# KiCad board REVIUNG34SPLIT-LEFT.kicad_pcb
title: REVIUNG34-SPLIT-LEFT; date: 2019-09-11; rev: 1.0
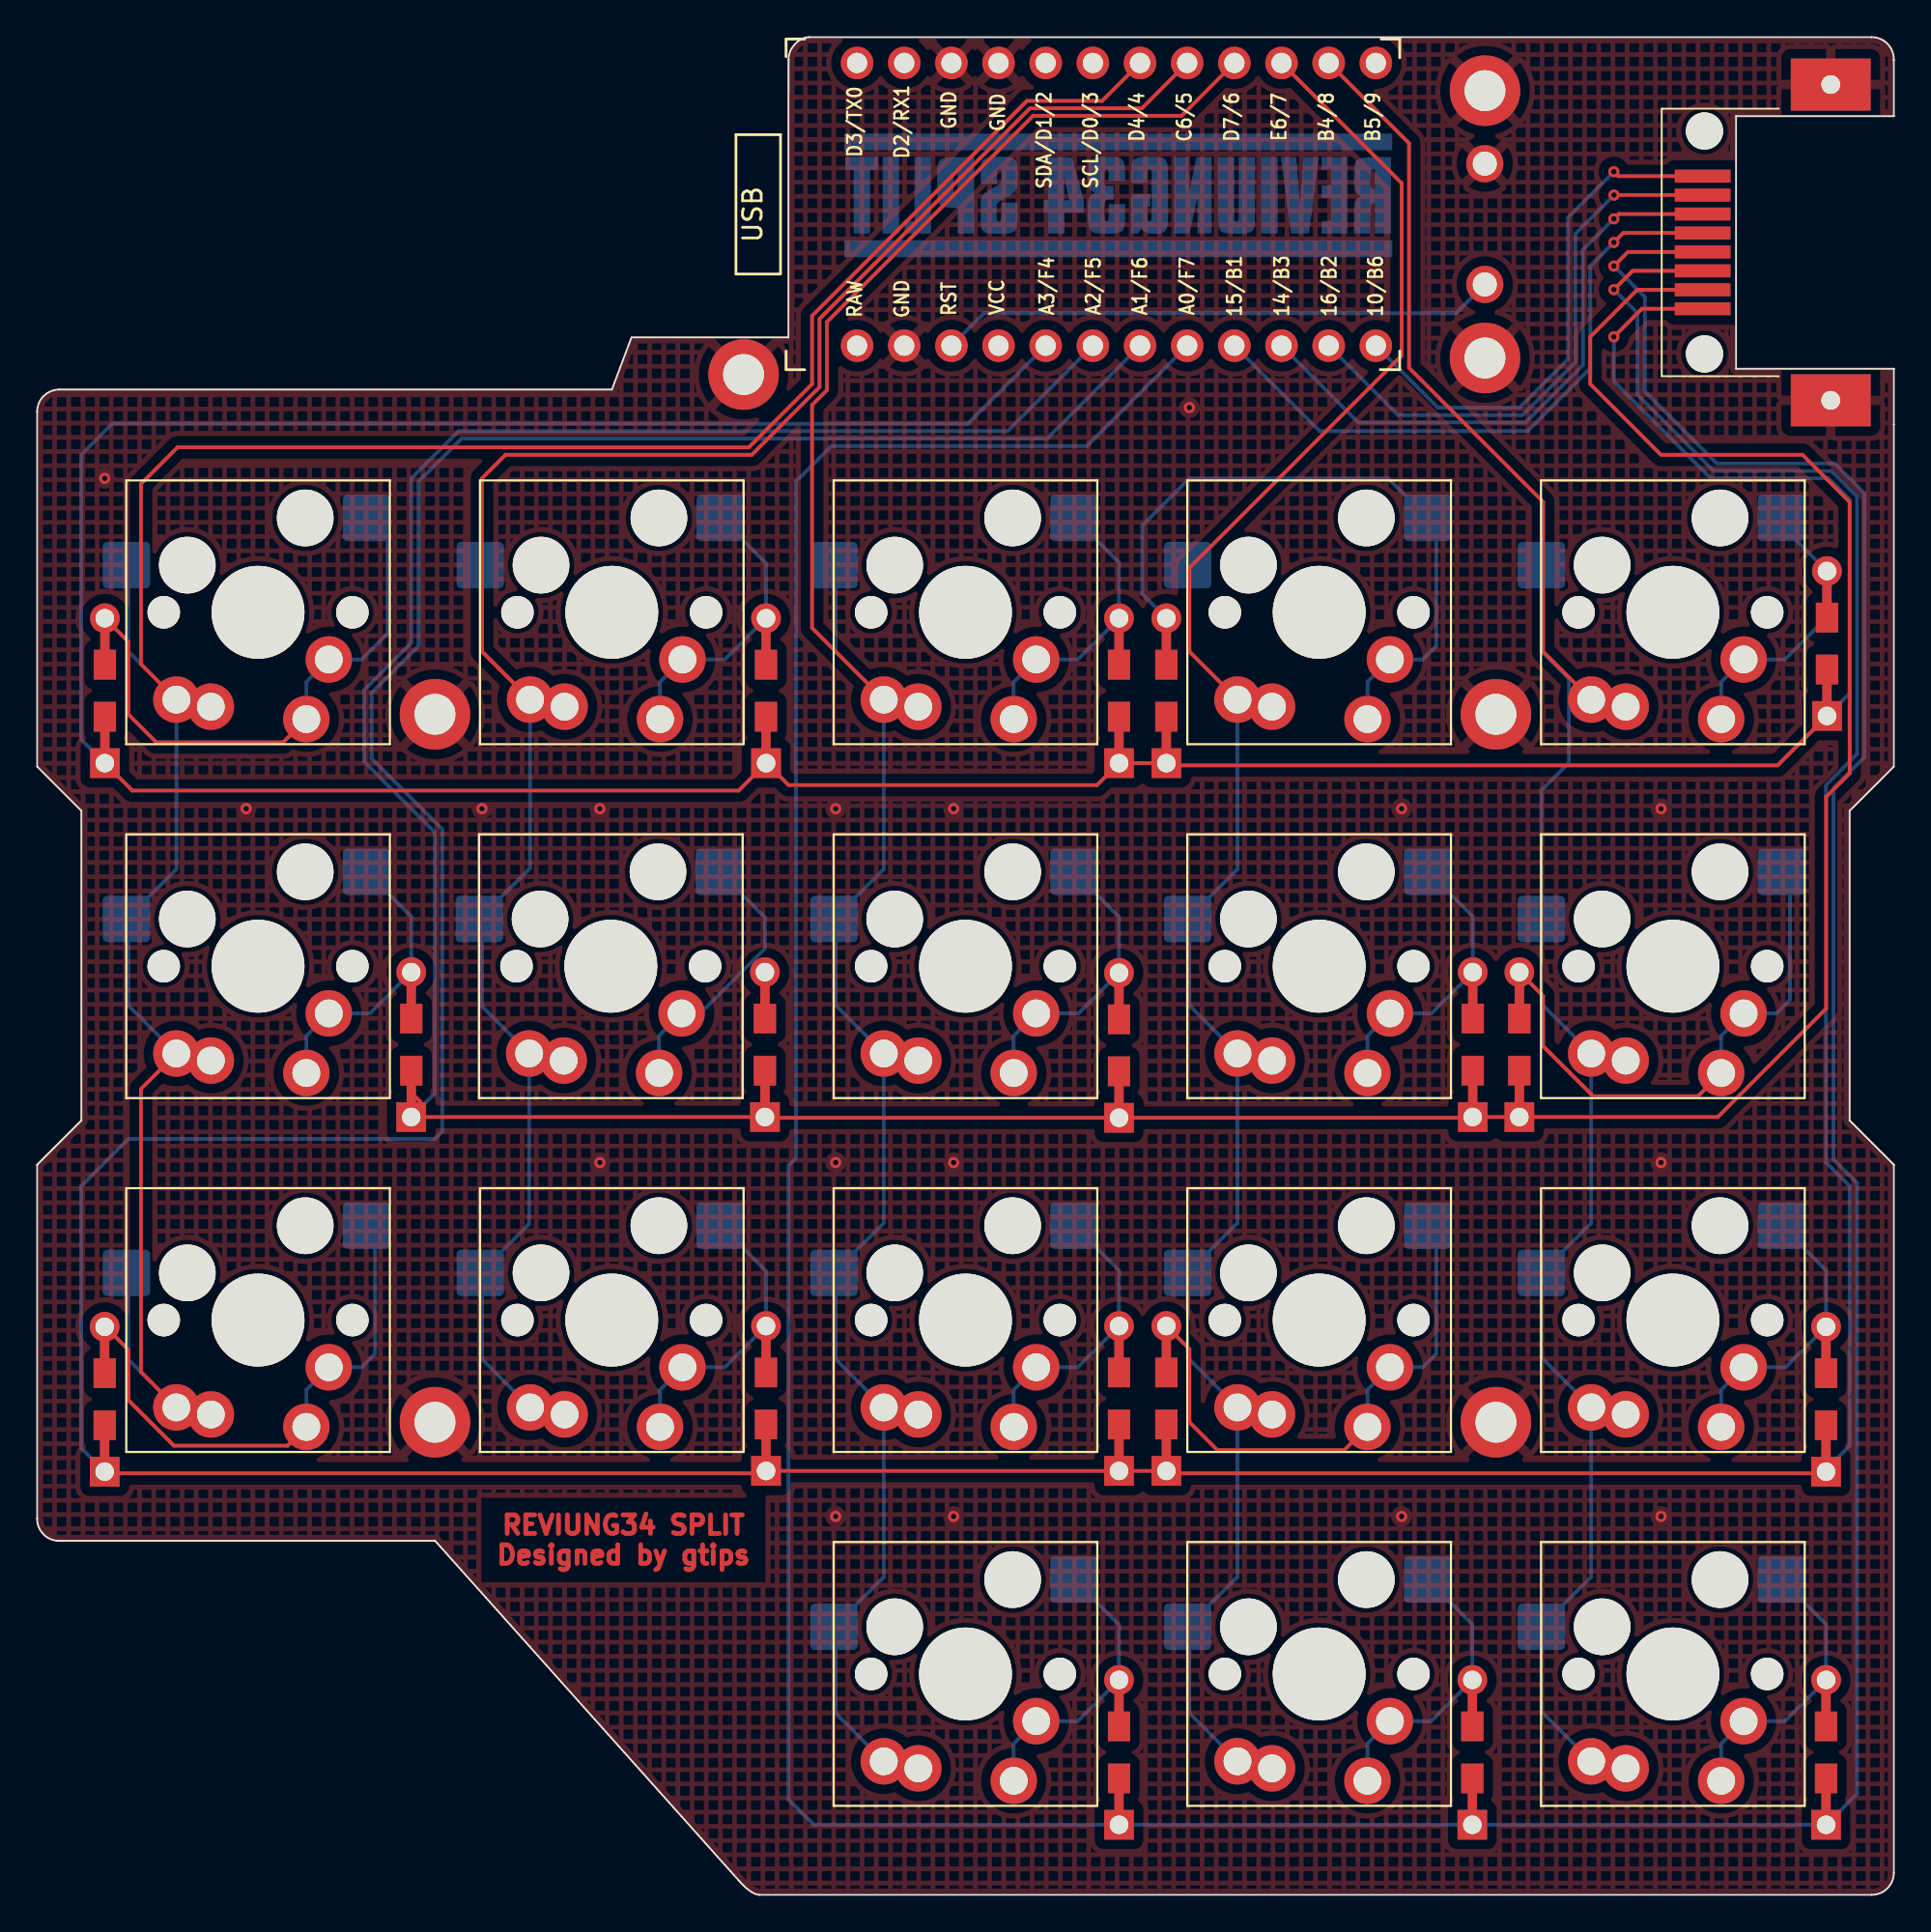
[diagram p0: board, top side]
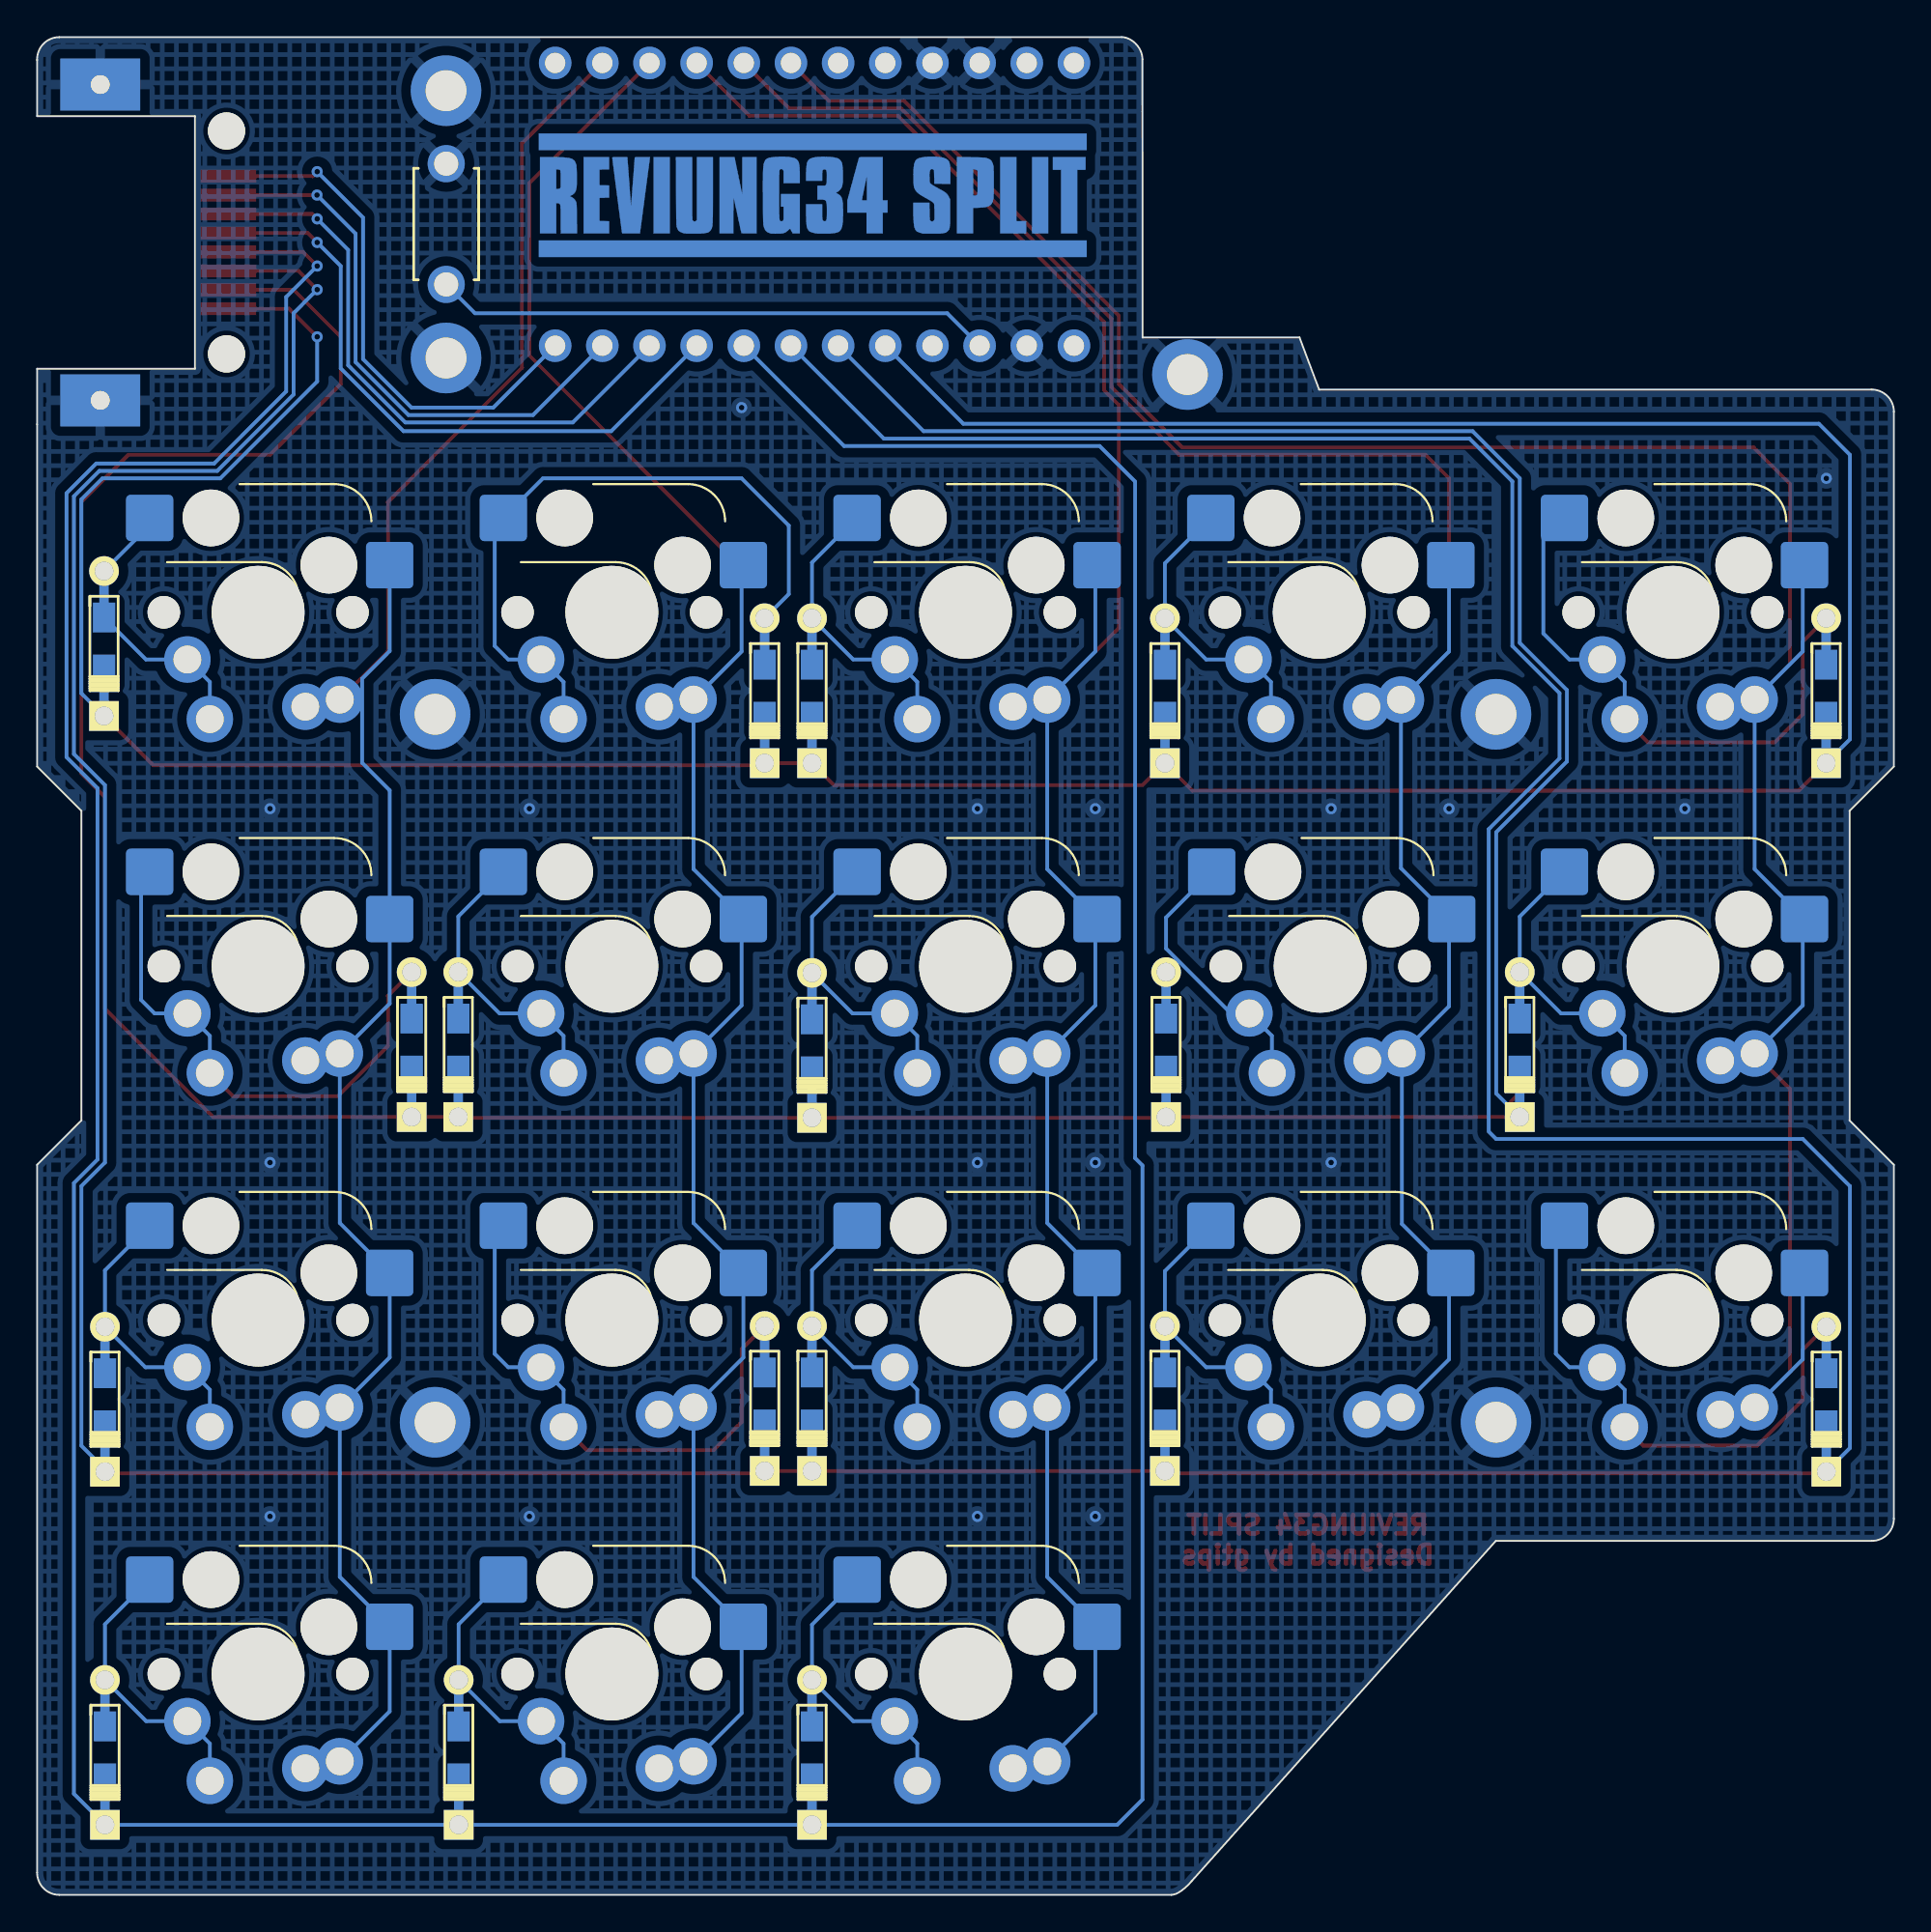
[diagram p1: board, bottom side, seen from below]

Outline 100 x 100 mm; copper layers: Top, Bottom. Coordinates in mm from the lower left corner of the outline.
Outline path: 100,98.75 100,98.81 ; 100,60.74 100,79.15
Stack: Top 0.035mm / dielectric 1.51mm FR4 er 4.5 / Bottom 0.035mm

## Placement (name value [footprint] x y rotation side)
D1  1N4148  [REVIUNG-DIODE-DUAL]  3.65 64.82 270 bottom
D2  1N4148  [REVIUNG-DIODE-DUAL]  39.26 64.82 270 bottom
D3  1N4148  [REVIUNG-DIODE-DUAL]  58.27 64.82 270 bottom
D4  1N4148  [REVIUNG-DIODE-DUAL]  60.82 64.82 270 bottom
D5  1N4148  [REVIUNG-DIODE-DUAL]  96.4 67.36 270 bottom
D6  1N4148  [REVIUNG-DIODE-DUAL]  20.15 45.77 270 bottom
D7  1N4148  [REVIUNG-DIODE-DUAL]  39.2 45.77 270 bottom
D8  1N4148  [REVIUNG-DIODE-DUAL]  58.27 45.73 270 bottom
D9  1N4148  [REVIUNG-DIODE-DUAL]  77.32 45.77 270 bottom
D10  1N4148  [REVIUNG-DIODE-DUAL]  79.83 45.77 270 bottom
D11  1N4148  [REVIUNG-DIODE-DUAL]  3.64 26.68 270 bottom
D12  1N4148  [REVIUNG-DIODE-DUAL]  39.26 26.72 270 bottom
D13  1N4148  [REVIUNG-DIODE-DUAL]  58.27 26.72 270 bottom
D14  1N4148  [REVIUNG-DIODE-DUAL]  60.82 26.72 270 bottom
D15  1N4148  [REVIUNG-DIODE-DUAL]  96.35 26.68 270 bottom
D16  1N4148  [REVIUNG-DIODE-DUAL]  58.27 7.67 270 bottom
D17  1N4148  [REVIUNG-DIODE-DUAL]  77.3 7.67 270 bottom
D18  1N4148  [REVIUNG-DIODE-DUAL]  96.35 7.67 270 bottom
G***  LOGO  [REVIUNG-LOGO]  58.25 91.49 180 bottom
H1  H1  [MountingHole_2.2mm_M2_DIN965_Pad]  21.43 63.55 0 top
H2  H2  [MountingHole_2.2mm_M2_DIN965_Pad]  21.43 25.44 0 top
H3  H3  [MountingHole_2.2mm_M2_DIN965_Pad]  78.57 25.44 0 top
H4  H4  [MountingHole_2.2mm_M2_DIN965_Pad]  78.57 63.55 0 top
H5  -  [MountingHole_2.2mm_M2_DIN965_Pad]  77.98 97.12 0 top
H6  -  [MountingHole_2.2mm_M2_DIN965_Pad]  77.98 82.73 0 top
H7  -  [MountingHole_2.2mm_M2_DIN965_Pad]  38.05 81.84 0 top
J1  8P8C  [SEPOR-RJ45-SOCKET]  94.61 88.95 90 top
RESET1  SW_PUSH  [REVIUNG-RESET-SW]  77.97 89.94 270 bottom
SW1  SW_PUSH  [SEPOR-MX-KS27-HOTSWAP-1U]  11.9 69.04 0 top
SW2  SW_PUSH  [SEPOR-MX-KS27-HOTSWAP-1U]  30.95 69.04 0 top
SW3  SW_PUSH  [SEPOR-MX-KS27-HOTSWAP-1U]  50 69.04 0 top
SW4  SW_PUSH  [SEPOR-MX-KS27-HOTSWAP-1U]  69.05 69.04 0 top
SW5  SW_PUSH  [SEPOR-MX-KS27-HOTSWAP-1U]  88.1 69.04 0 top
SW6  SW_PUSH  [SEPOR-MX-KS27-HOTSWAP-1U]  11.9 49.99 0 top
SW7  SW_PUSH  [SEPOR-MX-KS27-HOTSWAP-1U]  30.9 49.99 0 top
SW8  SW_PUSH  [SEPOR-MX-KS27-HOTSWAP-1U]  50 49.99 0 top
SW9  SW_PUSH  [SEPOR-MX-KS27-HOTSWAP-1U]  69.05 49.99 0 top
SW10  SW_PUSH  [SEPOR-MX-KS27-HOTSWAP-1U]  88.1 49.99 0 top
SW11  SW_PUSH  [SEPOR-MX-KS27-HOTSWAP-1U]  11.9 30.94 0 top
SW12  SW_PUSH  [SEPOR-MX-KS27-HOTSWAP-1U]  30.95 30.94 0 top
SW13  SW_PUSH  [SEPOR-MX-KS27-HOTSWAP-1U]  50 30.94 0 top
SW14  SW_PUSH  [SEPOR-MX-KS27-HOTSWAP-1U]  69.05 30.94 0 top
SW15  SW_PUSH  [SEPOR-MX-KS27-HOTSWAP-1U]  88.1 30.94 0 top
SW16  SW_PUSH  [SEPOR-MX-KS27-HOTSWAP-1U]  50 11.89 0 top
SW17  SW_PUSH  [SEPOR-MX-KS27-HOTSWAP-1U]  69.05 11.89 0 top
SW18  SW_PUSH  [SEPOR-MX-KS27-HOTSWAP-1U]  88.1 11.89 0 top
U1  ProMicro_r  [REVIUNG-PROMICRO]  58.64 91 90 top

## Library data of the parts
RESET1 = -: Field4: RESET

## Footprints (pads in the part's own frame, mm; a bottom-side part is the same pattern mirrored in y, then rotated)
MountingHole_2.2mm_M2_DIN965_Pad
  round 3.8 hole 2.2: 1(0,0)
REVIUNG-DIODE-DUAL
  rect 1.6x1.2 smd far side: 1(1.4,0) 2(-1.4,0)
  rect 1.6x1.2 smd: 1(1.4,0) 2(-1.4,0)
  rect 2.9x0.5 smd far side: 1(2.5,0) 2(-2.5,0)
  rect 2.9x0.5 smd: 1(2.5,0) 2(-2.5,0)
  rect 1.6x1.6 hole 1: 1(3.9,0)
  round 1.6 hole 1: 2(-3.9,0)
REVIUNG-PROMICRO
  round 1.753 hole 1.092: 1(7.611,14.478) 2(7.611,11.938) 3(7.611,9.398) 4(7.611,6.858) 5(7.611,4.318) 6(7.611,1.778) 7(7.611,-0.762) 8(7.611,-3.302) 9(7.611,-5.842) 10(7.611,-8.382) 11(7.611,-10.922) 12(7.611,-13.462) 13(-7.609,-13.462) 14(-7.609,-10.922) 15(-7.609,-8.382) 16(-7.609,-5.842) 17(-7.609,-3.302) 18(-7.609,-0.762) 19(-7.609,1.778) 20(-7.609,4.318) 21(-7.609,6.858) 22(-7.609,9.398) 23(-7.609,11.938) 24(-7.609,14.478)
REVIUNG-RESET-SW
  round 2 hole 1.3: 1(3.25,0) 2(-3.25,0)
SEPOR-MX-KS27-HOTSWAP-1U
  round 1.75 hole 1.75 unplated: (-5.08,0) (5.08,0)
  round 3.05 hole 3.05 unplated: (-3.81,2.54) (2.54,5.08)
  round 5 hole 5 unplated: (0,0)
  rrect 2.55x2.5 smd far side: 1(-7.085,2.54) 2(5.842,5.08)
  round 2.5 hole 1.5: 1(-4.4,-4.7) 1(-2.54,-5.08) 2(2.6,-5.75) 2(3.81,-2.54)
SEPOR-RJ45-SOCKET
  round 1 hole 1 unplated: (-8.5,-1.99) (8.5,-1.99)
  round 2 hole 2 unplated: (-6,4.81) (6,4.81)
  rect 0.7x3 smd: 1(-3.57,4.91) 2(-2.55,4.91) 3(-1.53,4.91) 4(-0.51,4.91) 5(0.51,4.91) 6(1.53,4.91) 7(2.55,4.91) 8(3.57,4.91)
  rect 2.8x4.3 hole 1: SH(-8.5,-1.99) SH(8.5,-1.99)

## Nets
GND: H1.1 H2.1 H3.1 H4.1 H5.1 H6.1 H7.1 J1.SH RESET1.2 U1.3 U1.4 U1.23
VCC: U1.21
col0: SW1.1 SW6.1 SW11.1 U1.7
col1: SW2.1 SW7.1 SW12.1 U1.8
col2: SW3.1 SW8.1 SW13.1 SW16.1 U1.9
col3: SW4.1 SW9.1 SW14.1 SW17.1 U1.10
col4: SW5.1 SW10.1 SW15.1 SW18.1 U1.11
col5: J1.5 U1.16
col6: J1.6 U1.15
col7: J1.7 U1.14
col8: J1.8 U1.13
reset: RESET1.1 U1.22
row0: D1.1 D2.1 D3.1 D4.1 D5.1 J1.1 U1.20
row1: D6.1 D7.1 D8.1 D9.1 D10.1 J1.2 U1.19
row2: D11.1 D12.1 D13.1 D14.1 D15.1 J1.3 U1.18
row3: D16.1 D17.1 D18.1 J1.4 U1.17
Net-(D1-Pad2): D1.2 SW1.2
Net-(D2-Pad2): D2.2 SW2.2
Net-(D3-Pad2): D3.2 SW3.2
Net-(D4-Pad2): D4.2 SW4.2
Net-(D5-Pad2): D5.2 SW5.2
Net-(D6-Pad2): D6.2 SW6.2
Net-(D7-Pad2): D7.2 SW7.2
Net-(D8-Pad2): D8.2 SW8.2
Net-(D9-Pad2): D9.2 SW9.2
Net-(D10-Pad2): D10.2 SW10.2
Net-(D11-Pad2): D11.2 SW11.2
Net-(D12-Pad2): D12.2 SW12.2
Net-(D13-Pad2): D13.2 SW13.2
Net-(D14-Pad2): D14.2 SW14.2
Net-(D15-Pad2): D15.2 SW15.2
Net-(D16-Pad2): D16.2 SW16.2
Net-(D17-Pad2): D17.2 SW17.2
Net-(D18-Pad2): D18.2 SW18.2

Pads without a net: U1 1 2 5 6 12 24

## Via types
v1: diameter 0.6, hole 0.3, Top to Bottom, 24 vias

## Routing (per net, layer and track width the routed paths; a pad name or vN(x,y) marks a point on that pad's centre or on a via; arc(x,y) is an arc through that point)
GND:
  vias: v1(3.64,76.25) v1(11.26,58.47) v1(23.96,58.47) v1(30.31,58.47) v1(30.31,39.42) v1(43.01,58.47) v1(43.01,39.42) v1(43.01,20.37) v1(49.36,58.47) v1(49.36,39.42) v1(49.36,20.37) v1(62.06,80.06) v1(73.49,58.47) v1(73.49,20.37) v1(87.46,58.47) v1(87.46,39.42) v1(87.46,20.37)
col0: length 136.4
  Top w0.2: SW6.1 5.59,43.39 5.59,28.15 SW11.1 ; U1.7 57.36,96.57 53.31,96.57 41.74,85 41.74,81.33 38.33,77.92 7.56,77.92 5.59,75.95 5.59,66.25 SW1.1
  Bottom w0.2: 4.84,71.58 SW1.1 4.91,71.49 4.91,66.93 SW1.1 7.5,55.22 SW6.1 4.91,52.44 4.91,47.88 SW6.1 ; SW11.1 4.91,28.83 4.91,33.39 SW11.1
col1: length 113.3
  Top w0.2: SW2.1 23.96,66.93 23.96,76.25 25.23,77.52 38.49,77.52 42.14,81.16 42.14,84.84 53.47,96.17 59.5,96.17 U1.8
  Bottom w0.2: SW12.1 23.96,28.83 23.96,33.39 23.86,33.48 26.5,36.12 SW7.1 23.96,47.83 23.96,52.39 SW7.1 26.55,55.27 SW2.1 23.96,66.93 23.96,71.49 23.86,71.58
col2: length 122.2
  Top w0.2: SW3.1 41.74,68.2 41.74,80.2 42.54,81 42.54,84.67 53.64,95.77 61.64,95.77 U1.9
  Bottom w0.2: SW16.1 43.01,9.78 43.01,14.34 SW16.1 45.6,17.12 SW13.1 43.01,28.83 43.01,33.39 SW13.1 45.6,36.17 SW8.1 43.01,47.88 43.01,52.44 SW8.1 45.6,55.22 SW3.1 43.01,66.93 43.01,71.49 SW3.1
col3: length 114.9
  Top w0.2: U1.10 73.49,92.14 73.49,82.86 62.06,71.43 62.06,66.93 SW4.1
  Bottom w0.2: SW17.1 62.06,9.78 62.06,14.34 SW17.1 64.65,17.12 SW14.1 61.96,28.93 SW14.1 64.65,36.17 SW9.1 62.06,47.88 62.06,52.44 SW9.1 64.65,55.22 SW4.1 62.06,66.93 62.06,71.49 SW4.1
col4: length 111.3
  Top w0.2: U1.11 73.89,94.28 73.89,82.2 81.11,74.98 81.11,66.93 SW5.1
  Bottom w0.2: SW18.1 81.01,9.88 SW18.1 83.7,17.12 SW15.1 81.01,28.93 SW15.1 83.7,36.17 SW10.1 81.01,47.98 SW10.1 81.01,59.46 82.5,60.94 82.5,65.47 81.01,66.96 SW5.1
col5: length 34.8
  Top w0.2: v1(84.92,88.95) 85.43,89.46 J1.5
  Bottom w0.2: U1.16 69.08,78.79 80.27,78.79 83.65,82.17 83.65,87.68 v1(84.92,88.95)
col6: length 32.7
  Top w0.2: v1(84.92,90.22) 85.18,90.48 J1.6
  Bottom w0.2: U1.15 71.15,79.26 80.17,79.26 83.25,82.34 83.25,88.55 v1(84.92,90.22)
col7: length 30.6
  Top w0.2: J1.7 v1(84.93,91.5)
  Bottom w0.2: U1.14 73.29,79.66 80,79.66 82.85,82.5 82.85,89.42 v1(84.93,91.5)
col8: length 28.8
  Top w0.2: v1(84.92,92.76) 85.16,92.52 J1.8
  Bottom w0.2: U1.13 75.43,80.06 79.84,80.06 82.45,82.67 82.45,90.29 v1(84.92,92.76)
reset: length 30.1
  Bottom w0.2: U1.22 50.99,85.14 76.42,85.14 RESET1.1
row0: length 202.9
  Top w0.2: J1.1 86.43,85.38 v1(84.92,83.87) ; D5.1 93.74,60.8 60.94,60.8 D4.1 D3.1 57.09,59.74 40.47,59.74 39.29,60.92 D2.1 37.78,59.44 5.13,59.44 D1.1
  Bottom w0.2: U1.20 50.12,79.19 4.04,79.19 2.37,77.52 2.37,62.2 D1.1 ; v1(84.92,83.87) 84.92,81.47 90.14,76.25 96.49,76.25 97.62,75.12 97.62,64.68 D5.1
row1: length 210.6
  Top w0.2: J1.2 86.18,86.4 83.65,83.87 83.65,81.33 87.46,77.52 95.08,77.52 97.62,74.98 97.62,60.38 96.35,59.11 96.35,47.7 90.52,41.87 D10.1 D9.1 77.28,41.83 D8.1 39.24,41.83 D7.1 D6.1 ; 20.15,43.18 20.64,42.69
  Bottom w0.2: D6.1 21.42,43.14 21.42,57.2 17.61,61.01 17.61,64.85 20.15,67.39 20.15,76.25 22.69,78.79 52.26,78.79 U1.19
row2: length 289
  Top w0.2: 39,22.69 39.26,22.95 ; v1(84.92,86.41) 85.93,87.42 J1.3 ; D15.1 96.26,22.69 60.95,22.69 D14.1 D13.1 D12.1 39.13,22.69 3.73,22.69 D11.1
  Bottom w0.2: D11.1 2.37,24.05 2.37,38.15 4.91,40.69 21.42,40.69 21.82,41.09 21.82,57.37 18.01,61.18 18.01,64.69 20.55,67.23 20.55,76.08 22.85,78.39 54.4,78.39 U1.18 ; D15.1 96.35,22.91 97.62,24.18 97.62,38.15 96.35,39.42 96.35,59.74 98.02,61.41 98.02,75.28 96.65,76.65 90.3,76.65 86.19,80.76 86.19,85.14 v1(84.92,86.41)
row3: length 251.9
  Top w0.2: J1.4 85.68,88.44 v1(84.92,87.68)
  Bottom w0.2: v1(84.92,87.68) 86.59,86.01 86.59,80.93 90.47,77.05 96.82,77.05 98.42,75.45 98.42,61.24 96.75,59.57 96.75,39.59 98.02,38.32 98.02,5.44 D18.1 D17.1 D16.1 41.83,3.77 40.47,5.13 40.47,39.26 40.87,39.66 40.87,76.08 42.77,77.99 56.54,77.99 U1.17
Net-(D1-Pad2): length 30.6
  Top w0.2: D1.2 4.91,67.46 4.91,63.55 6.42,62.04 13.25,62.04 SW1.2
  Bottom w0.2: SW1.2 14.5,65.29 SW1.2 17.48,66.5 18.88,67.9 18.88,72.98 SW1.2
Net-(D2-Pad2): length 16.1
  Bottom w0.2: 39.26,68.22 39.26,71.68 36.82,74.12 SW2.2 ; SW2.2 33.55,65.29 SW2.2 37.04,66.5 D2.2
Net-(D3-Pad2): length 16
  Bottom w0.2: SW3.2 52.6,65.29 SW3.2 56.05,66.5 D3.2 ; 58.27,68.22 58.27,71.72 55.87,74.12 SW3.2
Net-(D4-Pad2): length 36.4
  Bottom w0.2: SW4.2 71.65,65.29 SW4.2 74.63,66.5 75.35,67.23 75.35,73.66 SW4.2 72.76,76.25 62.06,76.25 59.52,73.71 59.52,70.02 D4.2
Net-(D5-Pad2): length 13
  Bottom w0.2: SW5.2 90.7,65.29 SW5.2 94.14,66.5 D5.2 ; D5.2 93.94,73.72 SW5.2
Net-(D6-Pad2): length 15.5
  Bottom w0.2: SW6.2 14.5,46.24 SW6.2 17.93,47.45 D6.2 20.15,52.66 SW6.2
Net-(D7-Pad2): length 14.8
  Bottom w0.2: SW7.2 33.5,46.24 SW7.2 35.71,47.45 39.2,50.94 39.2,52.61 SW7.2
Net-(D8-Pad2): length 15.5
  Bottom w0.2: SW8.2 58.27,52.64 D8.2 56.09,47.45 SW8.2 52.6,46.24 SW8.2
Net-(D9-Pad2): length 15.5
  Bottom w0.2: SW9.2 74.92,55.07 77.32,52.67 D9.2 75.1,47.45 SW9.2 71.65,46.24 SW9.2
Net-(D10-Pad2): length 29.3
  Top w0.2: SW10.2 89.45,42.99 83.81,42.99 81.11,45.69 81.11,48.39 D10.2
  Bottom w0.2: SW10.2 90.7,46.24 SW10.2 93.68,47.45 94.4,48.18 94.4,54.61 SW10.2
Net-(D11-Pad2): length 29.1
  Top w0.2: SW11.2 13.49,24.18 7.37,24.18 4.91,26.64 4.91,29.35 3.64,30.62
  Bottom w0.2: SW11.2 18.2,35.56 18.2,29.13 17.48,28.4 SW11.2 14.5,27.19 SW11.2
Net-(D12-Pad2): length 16.1
  Bottom w0.2: D12.2 37.04,28.4 SW12.2 33.55,27.19 SW12.2 ; 39.26,30.13 39.26,33.58 36.82,36.02 SW12.2
Net-(D13-Pad2): length 16
  Bottom w0.2: D13.2 56.05,28.4 SW13.2 52.6,27.19 SW13.2 ; 58.27,30.13 58.27,33.62 55.87,36.02 SW13.2
Net-(D14-Pad2): length 30
  Top w0.2: D14.2 62.06,29.38 62.06,25.45 63.57,23.94 70.4,23.94 SW14.2
  Bottom w0.2: SW14.2 75.35,35.56 75.35,29.13 74.63,28.4 SW14.2 71.65,27.19 SW14.2
Net-(D15-Pad2): length 15.5
  Bottom w0.2: SW15.2 90.7,27.19 SW15.2 94.17,28.4 D15.2 96.35,33.61 SW15.2
Net-(D16-Pad2): length 15.5
  Bottom w0.2: SW16.2 52.6,8.14 SW16.2 56.05,9.35 D16.2 58.27,14.54 SW16.2
Net-(D17-Pad2): length 15.5
  Bottom w0.2: SW17.2 71.65,8.14 SW17.2 75.08,9.35 D17.2 77.3,14.56 SW17.2
Net-(D18-Pad2): length 15.5
  Bottom w0.2: SW18.2 90.7,8.14 SW18.2 94.13,9.35 D18.2 96.35,14.56 SW18.2

## Copper pours and planes (outline as drawn; the poured copper is in the pictures)
GND on Top: 101.43,-1.22 -1.44,-1.22 -1.44,101.65 101.43,101.65
GND on Bottom: 101.43,-1.22 -1.44,-1.22 -1.44,101.65 101.43,101.65

## Text on the board
Top: REVIUNG34 SPLIT / Designed by gtips
